# KiCad board ovc5.kicad_pcb (continued)
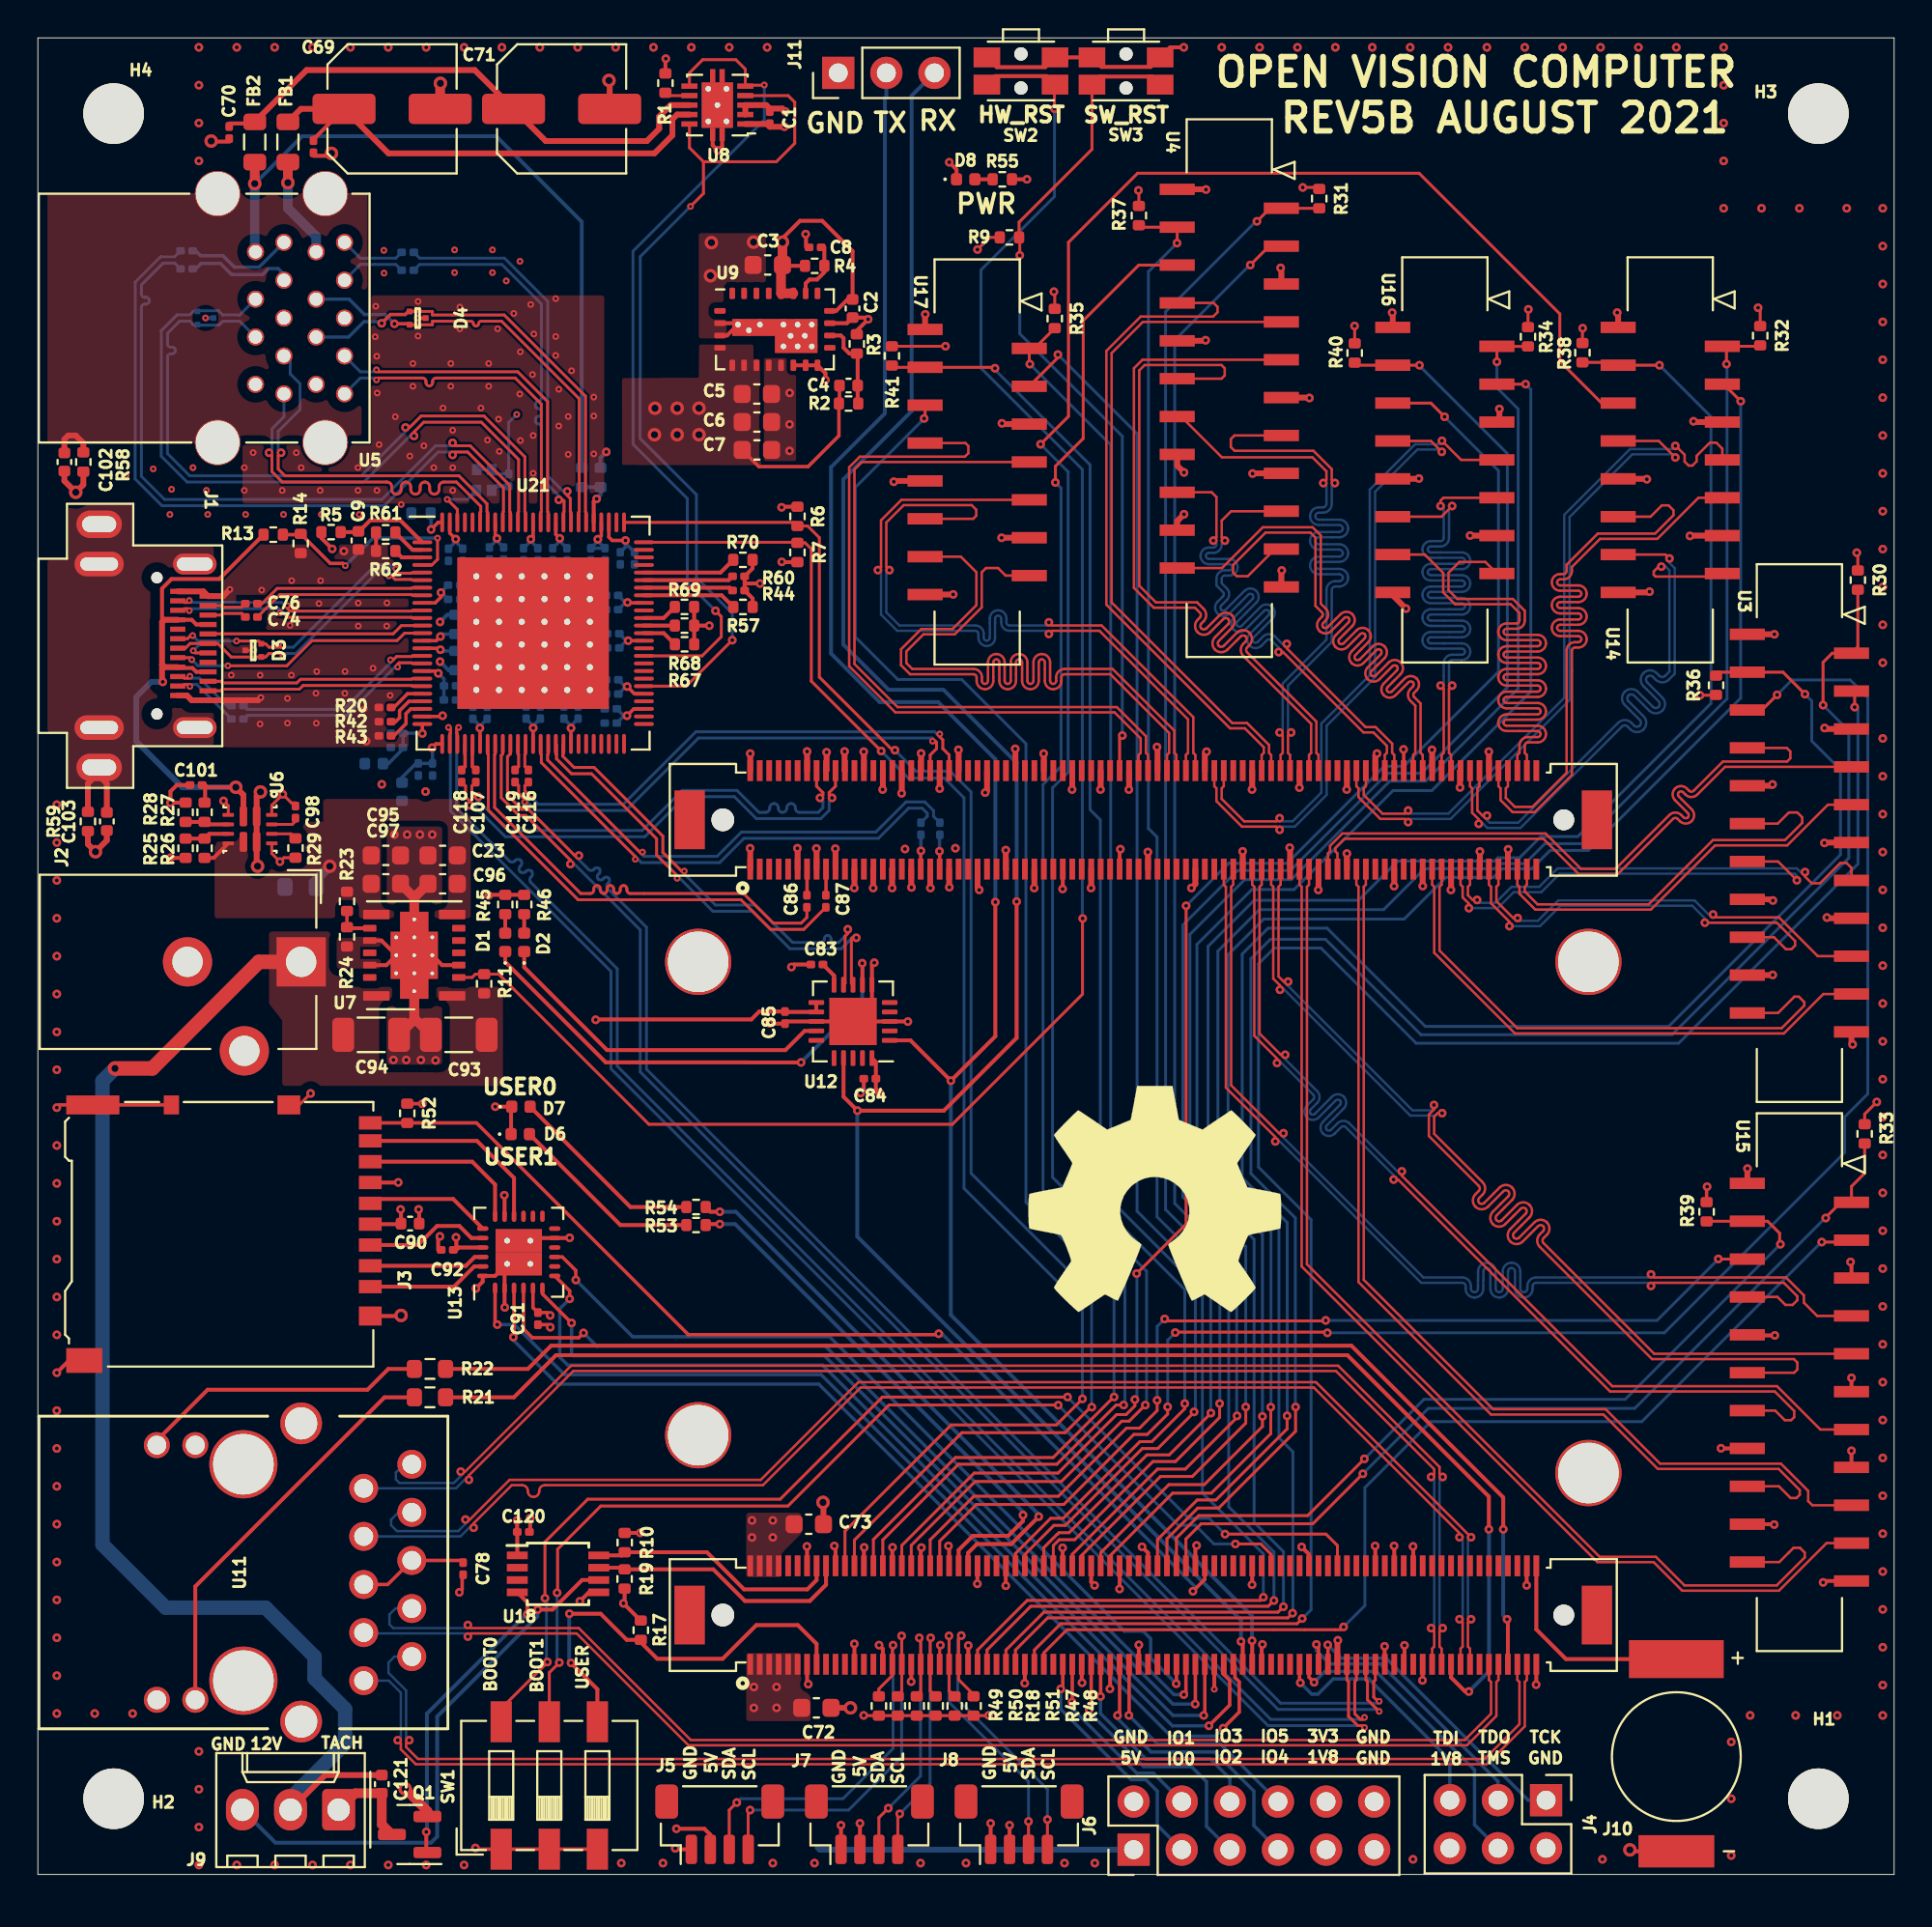
[diagram p0: board, top side]
## Nets (continued)
VBUS: C101.1 J1.A4 J1.A9 J1.B4 J1.B9 R13.2 R27.1 U6.2
/Enclustra module/BATT: J10.2 U1.A168
/Enclustra module/JTAG_TCK: J4.1 U1.A123
/Enclustra module/JTAG_TDI: J4.5 U1.A117
/Enclustra module/JTAG_TDO: J4.3 U1.A121
/Enclustra module/JTAG_TMS: J4.4 U1.A119
/Enclustra module/USER_LED0: R53.1 U1.A46
/Enclustra module/USER_LED1: R54.1 U1.A48
/Interfaces/RXLED: D2.1 U12.14
/Interfaces/SD_CLK: J3.5 U13.19
/Interfaces/SD_CMD: J3.3 U13.20
/Interfaces/SD_D0: J3.7 U13.18
/Interfaces/SD_D1: J3.8 U13.16
/Interfaces/SD_D2: J3.1 U13.23
/Interfaces/SD_D3: J3.2 U13.22
/Interfaces/TACH: J9.3 U18.6
/Interfaces/TXLED: D1.1 U12.7
/Power/VREG: C23.1 C95.1 C96.1 C97.1 R8.1 R23.1 R25.1 U6.6 U6.7 U7.7 U7.8
/USB/A_SHIELD: C102.2 R58.1 U5.S
/USB/C_SHIELD: C103.2 J1.S1 R59.1
/USB/HUB_DN2_TX+: C118.1 U21.29
/USB/HUB_DN2_TX-: C107.1 U21.30
/USB/HUB_DN3_TX+: C119.1 U21.36
/USB/HUB_DN3_TX-: C116.1 U21.37
/USB/OSC_OUT: U21.98 X1.3
/USB/RESET: C9.1 R5.2 U21.1
/USB/USB0_EN_OVC: U8.4 U8.10 U21.56
/USB/USB1_EN_OVC: U8.5 U8.6 U21.60
/USB/USB_H0_D_N: D4.2 U5.11 U21.82
/USB/USB_H0_D_P: D4.1 U5.12 U21.81
/USB/USB_H0_RX_N: U5.14 U21.87
/USB/USB_H0_RX_P: U5.15 U21.86
/USB/USB_H0_TX_CONN_N: C79.1 U5.17
/USB/USB_H0_TX_CONN_P: C81.1 U5.18
/USB/USB_H0_TX_N: C79.2 U21.84
/USB/USB_H0_TX_P: C81.2 U21.83
/USB/USB_H1_D_N: D5.2 U5.2 U21.90
/USB/USB_H1_D_P: D5.1 U5.3 U21.89
/USB/USB_H1_RX_N: U5.5 U21.95
/USB/USB_H1_RX_P: U5.6 U21.94
/USB/USB_H1_TX_CONN_N: C80.1 U5.8
/USB/USB_H1_TX_CONN_P: C82.1 U5.9
/USB/USB_H1_TX_N: C82.2 U21.92
/USB/USB_H1_TX_P: C80.2 U21.91
/USB/USB_US_CC1_CONN: J1.A5 U21.12
/USB/USB_US_CC2_CONN: J1.B5 U21.13
/USB/USB_US_D_CONN_N: D3.2 J1.A7 J1.B7 U21.5
/USB/USB_US_D_CONN_P: D3.1 J1.A6 J1.B6 U21.6
/USB/USB_US_RX1_CONN_N: J1.B10 U21.11
/USB/USB_US_RX1_CONN_P: J1.B11 U21.10
/USB/USB_US_RX2_CONN_N: J1.A10 U21.19
/USB/USB_US_RX2_CONN_P: J1.A11 U21.20
/USB/USB_US_TX1_CONN_N: C76.1 J1.A2
/USB/USB_US_TX1_CONN_P: C74.1 J1.A3
/USB/USB_US_TX1_N: C76.2 U21.7
/USB/USB_US_TX1_P: C74.2 U21.8
/USB/USB_US_TX2_CONN_N: C77.1 J1.B2
/USB/USB_US_TX2_CONN_P: C75.1 J1.B3
/USB/USB_US_TX2_N: C77.2 U21.17
/USB/USB_US_TX2_P: C75.2 U21.16
BOOT_MODE0: SW1.6 U1.A126
BOOT_MODE1: SW1.5 U1.A112
CAM0_CLK+: U1.B123 U3.7
CAM0_CLK-: U1.B125 U3.8
CAM0_DAT0+: U1.B151 U3.13
CAM0_DAT0-: U1.B153 U3.14
CAM0_DAT1+: U1.B163 U3.10
CAM0_DAT1-: U1.B165 U3.11
CAM0_DAT2+: U1.B157 U3.17
CAM0_DAT2-: U1.B159 U3.18
CAM0_DAT3+: U1.B145 U3.20
CAM0_DAT3-: U1.B147 U3.21
CAM0_ENABLE: U1.A42 U3.5
CAM0_SCL: R36.2 U1.A88 U3.3
CAM0_SDA: R30.2 U1.A90 U3.2
CAM0_TRIGGER: U1.A61 U3.4
CAM1_CLK+: U1.B110 U4.7
CAM1_CLK-: U1.B112 U4.8
CAM1_DAT0+: U1.B114 U4.13
CAM1_DAT0-: U1.B116 U4.14
CAM1_DAT1+: U1.B120 U4.10
CAM1_DAT1-: U1.B122 U4.11
CAM1_DAT2+: U1.B136 U4.17
CAM1_DAT2-: U1.B138 U4.18
CAM1_DAT3+: U1.B142 U4.20
CAM1_DAT3-: U1.B144 U4.21
CAM1_ENABLE: U1.A30 U4.5
CAM1_SCL: R37.2 U1.A64 U4.3
CAM1_SDA: R31.2 U1.A66 U4.2
CAM1_TRIGGER: U1.A51 U4.4
CAM2_CLK+: U1.B130 U14.7
CAM2_CLK-: U1.B132 U14.8
CAM2_DAT0+: U1.B154 U14.13
CAM2_DAT0-: U1.B156 U14.14
CAM2_DAT1+: U1.B160 U14.10
CAM2_DAT1-: U1.B162 U14.11
CAM2_ENABLE: U1.A36 U14.5
CAM2_SCL: R38.2 U1.A76 U14.3
CAM2_SDA: R32.2 U1.A78 U14.2
CAM2_TRIGGER: U1.A57 U14.4
CAM3_CLK+: U1.B101 U15.7
CAM3_CLK-: U1.B103 U15.8
CAM3_DAT0+: U1.B107 U15.13
CAM3_DAT0-: U1.B109 U15.14
CAM3_DAT1+: U1.B111 U15.10
CAM3_DAT1-: U1.B113 U15.11
CAM3_DAT2+: U1.B129 U15.17
CAM3_DAT2-: U1.B131 U15.18
CAM3_DAT3+: U1.B117 U15.20
CAM3_DAT3-: U1.B119 U15.21
CAM3_ENABLE: U1.A40 U15.5
CAM3_SCL: R39.2 U1.A92 U15.3
CAM3_SDA: R33.2 U1.A94 U15.2
CAM3_TRIGGER: U1.A63 U15.4
CAM4_CLK+: U1.B100 U16.7
CAM4_CLK-: U1.B102 U16.8
CAM4_DAT0+: U1.B164 U16.13
CAM4_DAT0-: U1.B166 U16.14
CAM4_DAT1+: U1.B148 U16.10
CAM4_DAT1-: U1.B150 U16.11
CAM4_ENABLE: U1.A34 U16.5
CAM4_SCL: R40.2 U1.A70 U16.3
CAM4_SDA: R34.2 U1.A72 U16.2
CAM4_TRIGGER: U1.A55 U16.4
CAM5_CLK+: U1.B84 U17.7
CAM5_CLK-: U1.B86 U17.8
CAM5_DAT0+: U1.B90 U17.13
CAM5_DAT0-: U1.B92 U17.14
CAM5_DAT1+: U1.B94 U17.10
CAM5_DAT1-: U1.B96 U17.11
CAM5_ENABLE: U1.A28 U17.5
CAM5_SCL: R41.2 U1.A58 U17.3
CAM5_SDA: R35.2 U1.A60 U17.2
CAM5_TRIGGER: U1.A49 U17.4
DEBUG_UART_RX: J11.3 U1.A105 U12.17
DEBUG_UART_TX: J11.2 U1.A107 U12.1
FPGA_FAN_CLK: R10.1 U1.A16 U18.8
FPGA_FAN_DATA: R19.1 U1.A18 U18.7
FPGA_USB0_D+: U1.A127 U21.27
FPGA_USB0_D-: U1.A129 U21.28
FPGA_USB0_RX+: C107.2 U1.B16
FPGA_USB0_RX-: C118.2 U1.B20
FPGA_USB0_TX+: C86.1 U21.33
FPGA_USB0_TX-: C87.1 U21.32
FPGA_USB1_D+: U1.A131 U21.34
FPGA_USB1_D-: U1.A133 U21.35
FPGA_USB1_RX+: C119.2 U1.B40
FPGA_USB1_RX-: C116.2 U1.B44
FPGA_USB1_TX+: C88.1 U21.39
FPGA_USB1_TX-: C89.1 U21.40
GBE_LED_ACT: R21.2 U1.A149
GBE_LED_LINK: R22.2 U1.A161
GBE_MDI0_N: U1.A163 U11.2
GBE_MDI0_P: U1.A165 U11.1
GBE_MDI1_N: U1.A157 U11.4
GBE_MDI1_P: U1.A159 U11.3
GBE_MDI2_N: U1.A151 U11.7
GBE_MDI2_P: U1.A153 U11.8
GBE_MDI3_N: U1.A145 U11.9
GBE_MDI3_P: U1.A147 U11.10
GPIO0: J6.3 U1.A67
GPIO1: J6.4 U1.A69
GPIO2: J6.5 U1.A73
GPIO3: J6.6 U1.A75
GPIO4: J6.7 U1.A79
GPIO5: J6.8 U1.A81
QWIIC0_SCL: J5.4 R18.1 U1.A33
QWIIC0_SDA: J5.3 R49.2 U1.A31
QWIIC1_SCL: J7.4 R47.1 U1.A39
QWIIC1_SDA: J7.3 R50.2 U1.A37
QWIIC2_SCL: J8.4 R48.1 U1.A45
QWIIC2_SDA: J8.3 R51.2 U1.A43
REG_EN: R11.2 SW2.1 U7.2
SDIO_CDn: J3.9 R52.2 U1.A98
SDIO_CLK: U1.A91 U13.9
SDIO_CMD: U1.A93 U13.4
SDIO_D0: U1.A95 U13.6
SDIO_D1: U1.A97 U13.7
SDIO_D2: U1.A101 U13.1
SDIO_D3: U1.A103 U13.3
SMBUS_CLK: R7.1 U1.A22 U21.75
SMBUS_DAT: R6.1 U1.A24 U21.76
SOFTWARE_RESET: R9.2 SW3.1 U1.B80
USB_UART_D+: U12.8 U21.41
USB_UART_D-: U12.9 U21.42
USER_DIP: R17.2 SW1.4 U1.A15
Net-(C4-Pad2): C4.2 R2.2 R3.1 U9.14
Net-(C8-Pad1): C8.1 R4.2 U9.18
Net-(C78-Pad1): C78.1 U11.5 U11.6
Net-(C83-Pad2): C83.2 U12.10
Net-(C86-Pad2): C86.2 U1.B13
Net-(C87-Pad2): C87.2 U1.B17
Net-(C88-Pad2): C88.2 U1.B37
Net-(C89-Pad2): C89.2 U1.B41
Net-(C98-Pad1): C98.1 U6.11
Net-(C121-Pad2): C121.2 J9.1 Q1.3
Net-(D1-Pad2): D1.2 R45.2
Net-(D2-Pad2): D2.2 R46.2
Net-(D6-Pad2): D6.2 R53.2
Net-(D7-Pad2): D7.2 R54.2
Net-(D8-Pad2): D8.2 R55.2
Net-(Q1-Pad1): Q1.1 U18.4
Net-(R1-Pad1): R1.1 U8.7
Net-(R20-Pad2): R20.2 U21.21
Net-(R21-Pad1): R21.1 U11.11
Net-(R22-Pad1): R22.1 U11.14
Net-(R23-Pad2): R23.2 R24.1 U7.9
Net-(R25-Pad2): R25.2 R26.1 U6.5
Net-(R27-Pad2): R27.2 R28.1 U6.4
Net-(R29-Pad1): R29.1 U6.10
Net-(R42-Pad2): R42.2 U21.22
Net-(R43-Pad2): R43.2 U21.23
Net-(R44-Pad2): R44.2 U21.69
Net-(R57-Pad2): R57.2 U21.68
Net-(R60-Pad2): R60.2 U21.70
Net-(R61-Pad1): R61.1 U21.2
Net-(R62-Pad1): R62.1 U21.3
Net-(R63-Pad2): R63.2 U21.14
Net-(R64-Pad2): R64.2 U21.15
Net-(R65-Pad2): R65.2 U21.100
Net-(R67-Pad2): R67.2 U21.63
Net-(R68-Pad2): R68.2 U21.64
Net-(R69-Pad2): R69.2 U21.65
Net-(R70-Pad2): R70.2 U21.71

Pads without a net: J1 A8 B8; J5 MP; J7 MP; J8 MP; U1 A10 A12 A17 A19 A21 A25 A27 A52 A53 A54 A62 A65 A82 A84 A85 A87 A89 A100 A102 A104 A106 A110 A111 A113 A114 A115 A116 A118 A122 A124 A128 A130 A132 A136 A137 A140 A141 A144 A146 A148 A150 A152 A154 A155 A156 A158 A160 A162 A164 AM1 AM2 B3 B4 B5 B6 B7 B8 B9 B10 B12 B21 B24 B25 B28 B29 B32 B33 B36 B45 B47 B48 B50 B51 B53 B54 B56 B57 B59 B60 B62 B63 B65 B66 B68 B69 B71 B72 B74 B75 B77 B78 B81 B83 B87 B89 B91 B93 B97 B99 B104 B106 B124 B126 B133 B135 B139 B141 B167 B168 BM1 BM2 H1 H2 H3 H4; U7 4 5 6 13; U9 1 13 17 21 22 23 24; U12 2 4 5 15 16 18 19; U13 8 10 12 13 14 15; U18 2 3; U21 44 45 46 47 48 49 50 51 52 54 57 58 59 61 66 72 73 74 77 96 97

## Via types
v1: diameter 0.457, hole 0.203, Top to Bottom, 595 vias
v2: diameter 0.711, hole 0.381, Top to Bottom, 28 vias
v3: diameter 0.356, hole 0.152, Top to Bottom, 146 vias

## Routing (per net, layer and track width the routed paths; a pad name or vN(x,y) marks a point on that pad's centre or on a via; arc(x,y) is an arc through that point)
+1V2: length 39.4
  Top w0.152: v1(49.61,85.82) 50.25,86.46 R9.1
  Top w0.178: v1(21.28,67.7) 21.28,67.47 20.98,67.16 U21.9 ; U21.18 21.02,63.56 v1(21.14,63.44) ; U21.25 20.3,60.76 v1(20.3,60.26) ; U21.38 26.15,60.55 v1(26.15,60.55) ; v1(31.02,70.46) 30.32,70.46 30.14,70.63 30.14,71.41 ; v1(31.11,62.74) 31.49,62.36 U21.55 ; U1.B140 72.11,59.41 v1(72.1,59.42) ; U21.93 24.15,70.66 v1(24.24,70.56) ; v1(27.55,70.57) 27.34,70.78 27.34,71.41 ; C4.1 42.32,77.72 R2.1 42.29,75.99 40.66,74.36 38.06,74.36 C7.1 ; v1(23.34,60.55) 23.34,60.54 23.34,59.71
  Top w0.203: U1.B67 54.11,52.06 v1(54.1,52.05)
  Top w0.305: U1.B88 59.11,59.52 v1(59.08,59.55) ; v1(73.11,52.2) 73.11,52.21 U1.B143 ; v1(53.1,59.2) 53.11,59.19 U1.B64 ; U1.B95 61.11,52.31 v1(60.9,52.1)
  Bottom w0.178: 27.55,70.42 v1(27.55,70.57) 27.55,70.42 ; 27.55,70.42 C29.1 ; 27.55,70.42 C25.1 ; C20.1 18.5,58.67 19.27,59.44 C33.1 19.27,59.53 C37.1 20.28,60.28 v1(20.3,60.26) ; C50.1 23.34,60.67 v1(23.34,60.55) 23.34,60.65 C53.1 ; C42.1 21.43,62.77 C46.1 21.44,63.14 v1(21.14,63.44) ; C28.1 24.24,70.49 v1(24.24,70.56) 24.24,70.44 C40.1 ; C52.1 26.15,60.67 v1(26.15,60.55) 26.15,60.67 C49.1 ; C41.1 31.02,70.11 v1(31.02,70.46) 31.02,70.31 C45.1 ; C18.1 21.3,67.7 v1(21.28,67.7) 21.28,67.72 C22.1 ; C32.1 31.04,62.74 v1(31.11,62.74) 31,62.74 C36.1
  vias: v2(32.58,77.44) v2(32.55,76.04) v2(33.75,77.44) v2(33.75,76.04) v2(34.9,77.44) v2(34.9,76.04)
+1V8: length 25.8
  Top w0.152: v1(53.64,83.59) 53.69,83.55 R35.1 ; v1(47.92,80.71) 47.92,80.71 R41.1 ; R32.1 90.93,82.63 v1(90.82,82.75) ; v1(97.09,40.8) 96.44,40.16 R33.1 ; U1.A41 47.61,12.07 v1(47.65,12.11) ; v1(87.75,62.28) 88.58,62.28 R36.1 ; v1(69.51,81.78) 69.52,81.78 R40.1 ; R37.1 58.13,88.92 v1(58.1,88.95) ; R30.1 96.09,69.75 v1(96.03,69.81) ; R38.1 81.54,81.65 v1(81.56,81.66) ; R34.1 78.67,82.64 v1(78.69,82.66) ; v1(66.78,89.1) 67.57,89.1 R31.1
  Top w0.178: v1(20.3,40.7) 20.29,40.71 R52.1 ; R39.1 88.1,36.3 v1(88.12,36.33) ; v1(27.05,29.53) 26.9,29.68 C91.2 26.14,29.94 U13.5
  Top w0.203: U12.20 44.24,42.91 C84.2 44.24,41.48 v1(44.44,41.28) ; U1.A74 55.61,15.44 v1(55.79,15.27) ; U1.A77 56.61,9.82 v1(56.6,9.8)
  Top w0.305: v1(64.1,57.3) 64.11,57.31 U1.B108 ; v1(50.01,57.14) 50.11,57.24 U1.B52 ; U1.B128 69.11,57.31 v1(69.1,57.3) ; v1(56.1,57.3) 56.11,57.31 U1.B76
+3V3: length 90.5
  Top w0.152: v1(50.2,8.4) 50.19,8.39 R48.2 R49.1 43.61,8.39 v1(43.6,8.4)
  Top w0.178: U21.43 28.15,60.55 v1(28.15,60.55) ; 21.34,59.71 21.01,59.71 v1(20.81,59.51) ; v1(29.56,70.52) 29.74,70.7 29.74,71.41 ; U21.88 26.15,70.65 v1(26.02,70.52) ; v1(31.17,65.16) 31.17,65.16 U21.62 ; v1(31.13,67.18) 31.15,67.16 U21.67 ; 21.74,71.41 21.74,70.84 v1(22.06,70.53) ; U21.53 31.46,61.56 v1(31.1,61.2)
  Top w0.203: U1.A38 46.61,17.23 v1(46.64,17.26) ; R5.1 14.97,70.58 v1(15.54,70.01) ; v1(19.15,35.12) 19.17,35.11 C90.2 19.14,34.34 J3.4 ; R6.2 39.3,72.24 v1(39.26,72.2) ; R46.1 R45.1 23.83,51.74 v1(23.8,51.71) ; U13.17 24.64,35.86 v1(24.62,35.88) ; R69.1 34.65,64.97 R67.1 ; R68.1 35.44,65.96 v1(35.45,65.95) ; U13.21 22.22,33.11 22.09,32.99 22.09,33.63 v1(22.08,33.65) ; v2(39.31,86.21) 39.31,86.41 40.23,87.34 41.41,87.34 43.01,85.74 C2.1 42.75,83.19 42.14,82.58 U9.16 ; R55.1 v1(52.22,89.53) ; v1(43.62,17.28) 43.61,17.26 U1.A26 ; v1(57.15,54.15) 57.11,54.11 U1.B79 ; U1.A50 49.6,16.29 v1(49.6,15.35) ; v1(25.3,18.7) 25.3,18.1 C120.2 25.31,16.85 U18.1 ; R4.1 39.36,84.96 C3.1 ; U1.A86 58.61,16.99 v1(58.29,17.31) ; v1(41.58,78.94) 41.58,79.29 U9.12 U9.11 U9.10 ; v1(33.71,2.41) 35.19,2.41 35.5,2.1 J5.2 ; v1(44.41,12.11) 44.61,11.91 U1.A29 ; J7.2 v1(43.4,2.7) ; R10.2 31.8,18.04 v1(31.8,18.04) ; R17.1 31.82,13.41 v1(30.91,14.32) 30.98,14.38 R19.2 ; J8.2 v1(51.3,2.6) ; R7.2 39.29,69.31 v1(39.27,69.32)
  Top w0.305: U17.1 46.84,82.39 v1(46.85,82.4) ; U15.1 90.25,37.27 v1(90.26,37.28) ; v1(75.08,57.41) 75.08,58.27 U1.B152 ; U1.B55 51.1,53.11 v1(51.1,54.1) ; v1(61.67,88.99) 61.66,89 U4.1 ; v1(91.68,65.5) U3.1 ; v1(69.11,53.92) U1.B127 ; v1(76.13,54.03) 76.13,53.12 U1.B155 ; U1.B115 66.11,54.21 v1(66.09,54.23) ; v1(83.38,82.49) 83.43,82.44 U14.1 ; v1(71.5,82.49) 71.53,82.46 U16.1
  Top w0.508: U9.19 U9.20 39.23,84.93 C3.1 v2(39.31,86.21)
  Bottom w0.152: X1.4 X1.1 24.19,73.97 C10.2 24.86,76.69 v3(25.28,77.11)
  Bottom w0.178: C44.1 28.15,60.67 v1(28.15,60.55) 28.15,60.67 C48.1 ; C30.1 31.02,67.18 v1(31.13,67.18) 31.01,67.18 C26.1 ; C27.1 30.95,61.2 v1(31.1,61.2) 30.93,61.2 C31.1 ; C47.1 31.06,65.16 v1(31.17,65.16) 31.08,65.16 C43.1 ; C34.1 26.02,70.42 v1(26.02,70.52) 26.02,70.43 C38.1 ; C51.1 22.06,70.39 v1(22.06,70.53) 22.06,70.4 C54.1 ; C21.1 19.23,57.94 19.97,58.68 C39.1 20.83,58.68 C35.1 20.84,59.48 v1(20.81,59.51) ; 29.56,70.42 C24.1 29.94,70.05 C19.1 29.56,70.43 v1(29.56,70.52) 29.56,70.42
  Bottom w0.203: R63.1 21.61,66.53 v1(21.23,66.15) ; R64.1 21.69,63.6 v1(21.23,64.06)
+5V: length 35.9
  Top w0.203: U12.11 U12.12 39.47,45.55 C85.1 38.08,45.58 37.67,45.16 29.47,45.16 v1(29.45,45.14)
  Top w0.305: U8.2 U8.3 38.45,93.45 38.64,93.27 39.31,93.27 v1(39.47,93.11) ; v2(11.6,53.25) 11.55,53.3 U6.8 U6.1 11.55,56.97 v2(11.75,57.17)
  Bottom w0.305: J6.1 41.28,1.31 41.16,1.43
  vias: v1(37.7,18.7) v1(37.7,17.8) v1(37.8,9.9) v1(37.8,8.8) v1(38.8,18.7) v1(38.8,17.8) v1(39,9.9) v1(39,8.8)
+12V: length 66.7
  Top w0.305: J9.2 15.17,5.25 C121.1
  Top w0.762: J2.1 11.67,48.2 6.04,42.57 v2(4.07,42.57)
  Bottom w0.762: v2(4.07,42.57) 3.41,41.91 3.41,17.43 6.75,14.09 12.02,14.09 14.61,11.51 14.61,10.36 16.22,8.74 16.22,6.91 13.34,4.03 J9.2
/USB/VBUS_0: length 5.4
  Top w0.508: FB1.2 v2(13.2,89.35)
  Bottom w0.508: U5.10 14.69,86.51 13.2,88 v2(13.2,89.35)
/USB/VBUS_1: length 37.9
  Top w0.508: FB2.2 v2(11.45,89.3)
  Bottom w0.203: v2(11.45,89.3) 13.96,91.81 24.19,91.81 28.71,87.29 R15.2
  Bottom w0.508: U5.1 11.45,85.74 v2(11.45,89.3)
/USB/VBUS_MON_P1: length 3
  Top w0.203: v1(29.5,72.66) 29.34,72.5 29.34,71.41
  Bottom w0.203: v1(29.5,72.66) 29.7,72.86 29.7,73.27 29.7,73.27 R15.1
/USB/VBUS_MON_US: length 11.5
  Top w0.152: U21.4 20.8,69.16 21.1,69.46 v3(21.1,70.58)
  Top w0.178: R13.1 13.83,70.76 R14.2 15.44,69.24 16.11,69.24 v3(16.23,69.12)
  Bottom w0.178: v3(16.23,69.12) 17.69,70.58 v3(21.1,70.58)
/USB/VBUS_SW_0: length 26
  Top w0.203: C69.1 14.64,91.73 14.55,91.73
  Top w0.305: U8.9 33.75,92.95 33.5,92.7 33.5,91.85 32.55,90.9 18.51,90.9 C69.1 13.89,93.25 FB1.1
/USB/VBUS_SW_1: length 28.2
  Top w0.203: 10.1,92.48 11.37,92.48 FB2.1
  Top w0.305: U8.8 33.4,93.45 32.8,92.85 32.8,92.2 32.15,91.55 26.81,91.55 C71.1 23.06,95.3 14.19,95.3 FB2.1
GND: length 243.5
  Top w0.152: U6.9 12.35,53.92 v1(12.78,53.49) 12.99,53.7 R29.2 ; U6.12 12.35,56.47 v1(12.93,57.05) 13.39,56.59 13.6,56.59 ; v1(14.4,41.25) 13.8,40.64 J3.11 ; v3(11.39,64.68) 11.37,64.65 D3.3 ; U6.3 10.05,56.45 v1(9.8,56.7)
  Top w0.178: SW1.3 SW1.2 SW1.1 23.16,1.33 v1(23.1,1.4) ; v1(21.37,61.2) 21.33,61.16 U21.24 ; v1(27.05,28.9) 26.92,29.04 C91.1 ; v1(22.25,14.9) 22.4,15.05 22.4,15.88 ; v1(1,40.5) 1.15,40.64 J3.11 J3.10 ; 20.48,82.2 v3(20.05,82.2)
  Top w0.203: J7.1 v1(42.4,2.6) ; U1.A139 72.15,11.14 v1(72.15,12.1) ; U1.A108 64.11,15.31 v1(64.1,15.31) ; v1(39.78,47.92) 39.92,48.06 C83.1 ; v1(19.02,36.55) 19.02,36.55 J3.6 ; U1.A99 62.11,9.78 v3(62.11,9.78) ; U1.A166 78.6,16.29 v1(78.6,15.27) ; C120.1 25.99,18.13 v1(25.99,18.82) ; v1(88.86,22.51) 88.87,22.5 U15.15 ; U12.21 44.03,46.05 U12.6 44.03,48.03 v1(44.16,48.15) ; U12.21 U12.3 45.92,45.05 v1(45.93,45.05) ; U12.21 U12.13 39.56,45.05 C85.2 38.63,44.94 v1(38.61,44.95) ; v1(40.53,86.64) 40.56,86.62 40.56,85.94 ; v1(91.7,28.47) 90.28,28.47 U15.9 ; U1.A71 55.11,10.14 v1(55.12,10.12) ; v1(1,26.5) 1.65,27.14 J3.11 ; v1(94.25,15.42) 94.32,15.5 U15.22 ; v1(7,53.7) 7.01,53.69 R26.2 ; v1(40.6,17.33) 40.61,17.31 U1.A14 ; v1(20.1,35.12) 20.13,35.09 C90.1 ; v1(24.65,29.95) 24.64,29.96 U13.2 24.64,32.11 U13.25 24.14,31.61 U13.24 23.49,31.31 v1(23.12,30.95) ; 29.61,14.9 29.09,14.9 v1(28.61,14.43) ; v1(73.1,10.25) 73.11,10.26 U1.A143 ; v1(40.67,10.05) 40.61,10.11 U1.A13 ; U9.15 42.72,81.93 C2.2 43.75,82.23 v1(43.83,82.14) 43.23,81.54 R3.2 ; v1(71.6,17.35) 71.61,17.34 U1.A138 ; U1.A47 49.12,11.11 v1(49.12,12.09) ; D8.1 48.5,90.05 v1(48.12,90.43) ; v1(71.1,12.05) 71.1,11.11 U1.A135 ; v1(38.13,68.18) 38.12,68.18 37.31,68.18 ; SW2.2 50.62,95.45 53.19,95.45 SW2.2 55.65,95.97 SW3.2 56.15,95.47 58.75,95.47 59.78,96.5 v1(60.5,96.5) ; R1.2 33.13,95.88 v1(33.15,95.9) ; v1(64.65,12.15) 64.61,12.11 U1.A109 ; U15.19 91.65,18.5 v1(91.67,18.48) ; v1(57.11,15.08) 57.11,15.08 U1.A80 ; 17.55,29.5 19.15,29.5 v2(19.17,29.53) ; v2(84.05,1.3) 84.12,1.22 86.75,1.22 ; v1(46.1,10.18) 46.11,10.19 U1.A35 ; R62.2 17.85,69.9 R61.2 ; R70.1 37.73,68.98 R60.1 37.31,68.18 ; U1.A59 52.11,10.11 v1(52.1,10.1) ; v1(45.12,17.28) 45.11,17.26 U1.A32 ; U15.16 v1(95.75,22.38) ; v1(24.15,40.55) D7.1 24.98,40.52 D6.1 ; v1(72.6,17.33) 72.61,17.31 U1.A142 ; v1(28.08,33.62) 28.06,33.61 U13.11 26.14,33.61 U13.25 ; R28.2 7.01,56.61 v1(7,56.6) 7,57.2 7.34,57.54 7.87,57.54 ; v1(42.05,17.35) 42.11,17.29 U1.A20 ; U7.10 18.14,49.33 U7.15 18.4,48.03 U7.12 ; v1(21.23,33.7) 21.13,33.61 21.13,32.99 ; U9.3 36.39,81.28 U9.25 36.89,81.93 U9.2 ; v1(54.1,17.25) 54.1,16.31 U1.A68 ; v1(33.65,1.38) 33.7,1.33 J5.1 ; v1(66.72,17.3) 67.11,16.91 U1.A120 ; v1(43.11,12.18) 43.11,12.17 U1.A23 ; 37.31,68.18 37.31,67.81 R44.1 37.74,67.39 R57.1 ; v1(48.08,17.35) 48.11,17.31 U1.A44 ; 14.55,90.77 15.37,90.77 v2(15.5,90.9) ; U1.A167 79.11,10.03 v1(79.1,10.03) ; v1(70.6,17.35) 70.61,17.34 U1.A134 ; v2(9.15,91.55) 9.18,91.52 10.1,91.52 ; v1(43.44,41.27) 43.6,41.44 C84.1 ; U1.A83 58.12,11.11 v1(58.12,12.12) ; U1.A96 61.11,17.31 v1(61.17,17.38) ; 20.74,44.4 19.87,45.27 U7.15 19.87,45.2 19.07,44.4 ; U15.12 v1(95.75,26.22) ; U15.6 95.75,32.3 v1(95.7,32.35) ; U8.11 36.12,91.28 v1(35.9,91.05) 35.62,91.33 U8.11 ; U7.15 21.34,48.03 U7.3 ; v1(51.1,15.25) 51.1,16.29 U1.A56 ; J8.1 v1(50.3,2.7)
  Top w0.305: U1.B82 57.61,57.31 v1(57.6,57.3) ; v1(52.6,52.1) 52.61,52.11 U1.B61 ; U3.12 94.34,54.5 v1(94.32,54.48) ; v1(40.61,59.31) U1.B14 ; v1(43.6,59.3) 43.61,59.29 U1.B26 ; v1(44.1,52.1) 44.1,53.09 U1.B27 ; U4.16 64.14,74 v1(64.13,73.99) ; v1(61.7,59.3) 61.61,59.21 U1.B98 ; v1(42.59,59.31) 42.59,58.32 U1.B22 ; v1(40.1,54.2) 40.11,54.19 U1.B11 ; U1.B137 71.61,52.21 v1(71.6,52.2) ; U3.6 94.38,60.5 v1(94.33,60.55) ; U17.9 45.23,73.6 v1(45.19,73.56) ; v2(30.15,94.75) 30.19,94.71 C71.2 ; v1(60.51,74.05) 60.15,74.41 U4.15 ; U1.B39 47.11,52.11 v1(47.12,52.1) ; U4.22 65.65,68.85 v1(65.67,68.87) ; v1(51.6,59.45) 51.61,59.44 U1.B58 ; v1(54.6,57.3) 54.61,57.31 U1.B70 ; v1(39.42,92.31) 39.41,92.31 38.64,92.31 38.5,92.45 U8.1 ; U3.22 95.75,43.9 v1(95.81,43.84) ; v3(11.77,62.16) 11.63,62.02 J1.A12 8.12,62.02 7.87,62.27 J1.B1 ; v1(91.58,57.57) 91.51,57.5 U3.9 ; R58.2 2.4,73.4 v2(2,73) 1.4,73.6 C102.1 ; J1.B12 8.73,67.77 J1.A1 9.78,67.52 v3(10.14,67.87) ; v1(91.59,47.51) 91.58,47.5 U3.19 ; v1(45.1,52.1) 45.1,53.09 U1.B31 ; U4.12 67.11,78 v1(67.13,77.98) ; U14.9 84.92,73.71 v1(84.94,73.69) ; v1(66.6,57.4) 66.61,57.41 U1.B118 ; v1(72.91,73.73) 72.89,73.71 U16.9 ; U1.B38 46.63,58.32 v1(46.63,59.21) ; R59.2 2.64,54.42 v2(3.04,54.02) 3.64,54.61 3.64,55.14 ; U1.B158 76.61,59.29 v1(76.6,59.3) ; U1.B46 48.61,59.39 v1(48.6,59.4) ; v1(41.64,59.27) 41.64,58.33 U1.B18 ; v1(37.6,54.2) 37.61,54.19 U1.B1 ; v1(49.7,52) 49.61,52.09 U1.B49 ; v1(68.63,12.37) 68.61,12.35 U1.A125 ; v1(48.33,67.61) 48.32,67.6 U17.15 ; U14.15 85.05,67.71 v1(85.09,67.75) ; v1(75.61,70.72) 75.62,70.71 U16.12 ; v1(50.9,76.64) 50.94,76.6 U17.6 ; v1(91.6,51.44) 91.54,51.5 U3.15 ; v1(60.51,71.84) 60.15,71.48 U4.19 ; v1(94.45,50.54) 94.49,50.5 U3.16 ; U1.B35 46.11,52.14 v1(46.12,52.13) ; C73.2 41.47,19.62 v2(41.45,19.65) ; U1.B149 74.61,52.01 v1(74.6,52) ; U1.B15 41.11,54.18 ; 41.11,54.18 v1(41.1,54.19) 41.11,54.18 ; v1(61.65,81.03) 61.62,81 U4.9 ; U17.12 50.89,70.6 v1(50.88,70.6) ; U1.B121 67.61,52.01 v1(67.6,52) ; v1(37.61,59.2) U1.B2 ; v1(44.6,57.3) 44.6,57.44 44.61,57.45 U1.B30 ; v1(72.23,66.86) 71.53,67.56 U16.15 ; v1(63.6,54.03) 63.61,54.03 U1.B105 ; U1.B161 77.61,54.13 v1(77.62,54.14) ; U14.6 87.45,76.71 v1(87.41,76.75) ; U1.B34 45.61,57.11 v1(45.6,57.1) ; C72.2 v2(42.9,8.8) ; v1(43.1,52.1) 43.11,52.11 U1.B23 ; v1(47.61,57.35) U1.B42 ; U1.B134 70.61,59.11 v1(70.7,59.2) ; v1(77.16,77.4) 77.16,76.84 U16.6 ; U1.B43 48.11,52.15 v1(48.12,52.14) ; U4.6 65.65,84.81 v1(65.61,84.85) ; U1.B73 55.61,52.11 v1(55.6,52.1) ; v1(42.1,54.18) 42.11,54.17 U1.B19 ; v1(58.6,54) 58.61,53.99 U1.B85 ; U1.B146 73.61,59.39 v1(73.6,59.4) ; U14.12 87.23,70.71 v1(87.22,70.69)
  Top w0.508: U7.15 19.87,51.6 ; 19.87,51.6 C96.2 ; 19.87,51.6 C97.2 ; 20.57,3.06 20.57,3.34 v2(19.39,4.52) ; C69.2 21.24,94.59 v2(21.25,94.6) ; C94.2 19.87,45.15 U7.15 19.87,45.22 C93.2
  Bottom w0.203: C10.1 24.18,73.33 X1.2 ; D5.3 v3(8.85,82.21) ; v1(30.01,75.13) 29.7,74.83 R16.1
  vias: v1(1,56.5) v1(1,54.5) v1(1,52.5) v1(1,50.5) v1(1,48.5) v1(1,46.5) v1(1,44.5) v1(1,42.5) v1(1,38.5) v1(1,36.5) v1(1,34.5) v1(1,32.5) v1(1,30.5) v1(1,28.5) v1(1,24.5) v1(1,22.5) v1(1,20.5) v1(1,18.5) v1(1,16.5) v1(1,14.5) v1(1,12.5) v1(1,10.5) v1(1,8.5) v1(3,8.5) v1(5,8.5) v1(8.5,96.5) v1(8.5,94.5) v1(8.5,92.5) v1(8.5,90.5) v1(8.5,6.5) v1(8.5,4.5) v1(8.5,2.5) v1(8.5,0.5) v1(10.5,96.5) v1(10.5,0.5) v1(12.5,96.5) v1(12.5,0.5) v1(14.5,96.5) v1(14.5,0.5) v1(16.15,69.89) v1(16.5,96.5) v1(16.5,0.5) v1(17.33,59.86) v1(18.16,57.58) v1(18.5,96.5) v1(18.5,0.5) v1(18.82,54.92) v1(18.77,43.02) v1(19.45,43.02) v1(19.49,54.92) v1(20.17,54.92) v1(20.22,43.02) v1(20.5,96.5) v1(20.47,57.19) v1(20.5,0.5) v1(20.82,54.92) v1(20.99,43) v1(22.5,96.5) v1(22.5,0.5) v1(24.5,96.5) v1(26.5,96.5) v1(28.5,96.5) v1(30.5,96.5) v1(30.8,0.6) v1(32.5,96.5) v1(33,0.6) v1(34.5,96.5) v1(36.5,96.5) v1(38.5,96.5) v1(38.8,0.6) v1(39.69,78.25) v1(39.69,76.59) v1(39.69,75.19) v1(41,0.6) v1(45.78,54.16) v1(46.6,0.6) v1(48.44,54.2) v1(49,0.6) v1(54.2,0.6) v1(55.8,0.6) v1(62.5,96.5) v1(64.5,96.5) v1(66.5,96.5) v1(68.5,96.5) v1(70.45,96.5) v1(72.45,96.5) v1(72.6,0.8) v1(74.45,96.5) v1(76.5,96.5) v1(78.5,96.5) v1(80.5,96.5) v1(82.5,96.5) v1(82.6,0.8) v1(84.5,96.5) v1(86.5,96.5) v1(89,96.5) v1(89,94.5) v1(89,92.5) v1(89,90.5) v1(89,88) v1(89.4,7) v1(89.4,4) v1(89.4,1) v1(90.4,8.4) v1(91,88) v1(92.8,8.4) v1(93,88) v1(95,8.4) v1(95.5,88) v1(97.4,88) v1(97.4,86) v1(97.4,84) v1(97.4,82) v1(97.4,80) v1(97.4,78) v1(97.4,76) v1(97.4,74) v1(97.4,72) v1(97.4,70) v1(97.4,68) v1(97.4,66) v1(97.4,64) v1(97.4,60) v1(97.4,58) v1(97.4,56) v1(97.4,54) v1(97.4,52) v1(97.4,50) v1(97.4,48) v1(97.4,46) v1(97.4,44) v1(97.4,42) v1(97.4,40) v1(97.4,38) v1(97.4,36) v1(97.4,34) v1(97.4,32) v1(97.4,30) v1(97.4,28) v1(97.4,26) v1(97.4,24) v1(97.4,22) v1(97.4,20) v1(97.4,18) v1(97.4,16) v1(97.4,14) v1(97.4,12) v1(97.4,10) v1(97.4,8.4) v2(35.51,84.44) v2(35.56,86.19) v2(37.78,86.21) v3(4.65,73.88) v3(6.09,74.24) v3(6.97,71.83) v3(7.06,73.16) v3(8.19,74.3) v3(8.9,73.1) v3(8.97,71.83) v3(10.21,63.35) v3(10.9,74.3) v3(10.9,73.1) v3(10.97,71.83) v3(11.36,75.09) v3(11.73,63.34) v3(11.73,60.76) v3(11.82,67.84) v3(12.9,73.1) v3(12.97,71.83) v3(13.18,62.11) v3(13.17,60.81) v3(13.31,65.97) v3(13.4,68.33) v3(13.38,63.34) v3(13.64,75.09) v3(13.9,74.3) v3(14.72,63.53) v3(14.68,62.39) v3(14.7,60.81) v3(14.84,67.12) v3(14.9,73.1) v3(14.92,68.33) v3(14.97,71.83) v3(16.21,63.53) v3(16.2,62.38) v3(16.9,74.3) v3(16.9,73.1) v3(16.91,67.15) v3(16.91,65.94) v3(16.97,71.83) v3(17.23,61.56) v3(17.69,63.71) v3(17.84,82.83) v3(17.81,81.21) v3(17.89,80.19) v3(17.91,78.24) v3(17.9,73.1) v3(18.01,75.52) v3(18.27,85.78) v3(18.27,84.58) v3(18.43,67.16) v3(18.42,65.94) v3(18.6,62.27) v3(18.87,76.99) v3(19.18,72.35) v3(19.64,74.91) v3(19.8,79.8) v3(19.8,78.6) v3(20.07,83.08) v3(20.07,81.25) v3(20.38,75.46) v3(20.9,74.3) v3(21.39,77.45) v3(21.8,79.8) v3(21.8,78.6) v3(21.9,76.28) v3(21.9,74.3) v3(21.9,73.1) v3(22,85.8) v3(22,84.6) v3(22.28,82.78) v3(22.27,81.63) v3(23.39,77.45) v3(23.73,75.76) v3(23.8,79.8) v3(23.8,78.6) v3(24,85.8) v3(24,84.6) v3(24.27,81.63) v3(24.32,76.86) v3(24.36,75.16) v3(24.73,84.16) v3(25.13,82.45) v3(25.44,78.19) v3(25.45,85.2) v3(25.47,80.42) v3(25.48,75.73) v3(26.02,82.92) v3(26.11,79.22) v3(26.15,76) v3(26.15,74) v3(26.18,81.36) v3(27.34,83.23) v3(27.34,81.23) v3(27.34,80.23) v3(27.5,78.44) v3(27.5,76.5) v3(28,77) v3(28,75) v3(28.17,79.42) v3(29.35,78.03) v3(29.35,77.03) v3(29.35,75.03)
